# KiCad board SparkFun_RTK_Facet_mosaic_panelized.kicad_pcb (continued)
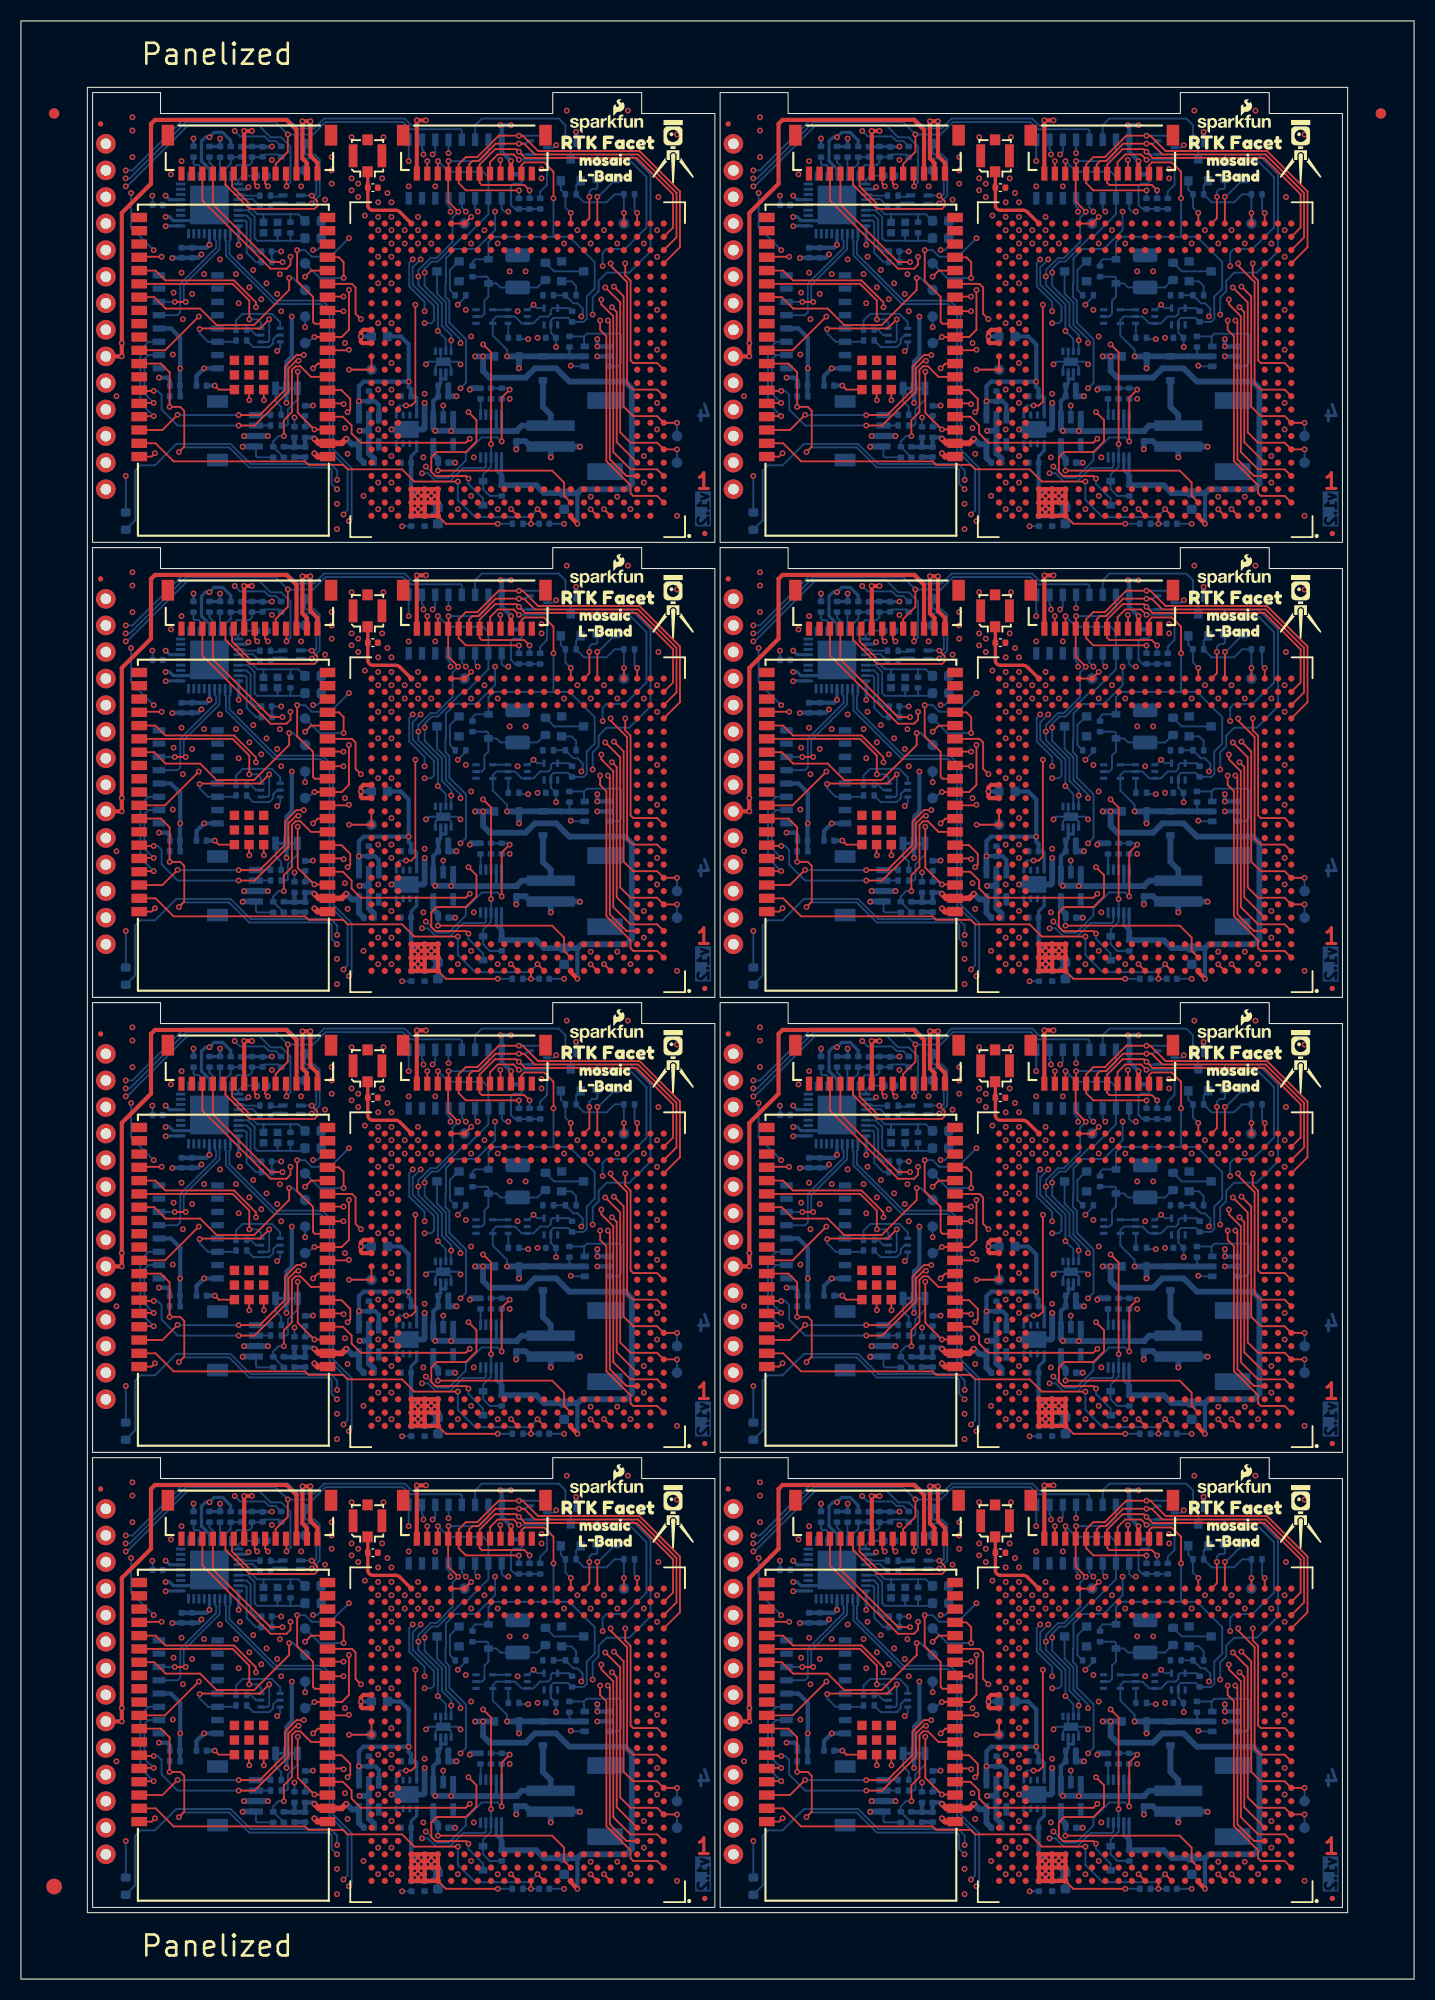
[diagram p0: board, top side]
## Routing (per net, layer and track width the routed paths; a pad name or vN(x,y) marks a point on that pad's centre or on a via; arc(x,y) is an arc through that point) (continued)
ExternalDATA_RXI: length 452.9
  Top w0.178: J5#8.4 25.39,42.06 v1(25.39,40.89) ; v1(25.39,84.39) 25.39,85.56 J5#6.4 ; v1(85.39,171.39) 85.39,172.56 J5#4.4 ; v1(25.39,127.89) 25.39,129.06 J5#3.4 ; v1(85.39,84.39) 85.39,85.56 J5#5.4 ; v1(85.39,127.89) 85.39,129.06 J5.4 ; J5#7.4 85.39,42.06 v1(85.39,40.89) ; v1(25.39,171.39) 25.39,172.56 J5#2.4
  In2.Cu w0.178: v1(25.39,127.89) 33.01,120.27 42.16,120.27 44.84,122.95 44.84,124.32 v1(43.68,125.47) ; TP22#3.1 9.88,82.59 9.88,84.25 v1(10.03,84.39) ; v1(70.03,127.89) 69.88,127.75 69.88,126.09 TP22#6.1 ; TP22.1 9.88,126.09 9.88,127.75 v1(10.03,127.89) ; v1(70.03,171.39) 69.88,171.25 69.88,169.59 TP22#7.1 ; v1(103.68,168.97) 104.84,167.82 104.84,166.45 102.16,163.77 93.01,163.77 v1(85.39,171.39) ; v1(10.03,40.89) 9.88,40.75 9.88,39.09 TP22#4.1 ; v1(70.03,84.39) 69.88,84.25 69.88,82.59 TP22#5.1 ; v1(43.68,168.97) 44.84,167.82 44.84,166.45 42.16,163.77 33.01,163.77 v1(25.39,171.39) ; v1(43.68,38.47) 44.84,37.32 44.84,35.95 42.16,33.27 33.01,33.27 v1(25.39,40.89) ; v1(85.39,84.39) 93.01,76.77 102.16,76.77 104.84,79.45 104.84,80.82 v1(103.68,81.97) ; TP22#2.1 9.88,169.59 9.88,171.25 v1(10.03,171.39) ; v1(43.68,81.97) 44.84,80.82 44.84,79.45 42.16,76.77 33.01,76.77 v1(25.39,84.39) ; v1(103.68,125.47) 104.84,124.32 104.84,122.95 102.16,120.27 93.01,120.27 v1(85.39,127.89) ; v1(103.68,38.47) 104.84,37.32 104.84,35.95 102.16,33.27 93.01,33.27 v1(85.39,40.89) ; v1(70.03,40.89) 69.88,40.75 69.88,39.09 TP22#8.1
  Bottom w0.178: v1(85.39,40.89) 85.77,41.27 85.77,44.7 84.9,45.57 83.88,45.57 82.75,46.7 75.97,46.7 70.15,40.89 v1(70.03,40.89) ; U13#4.3 43.43,38.73 v1(43.68,38.47) ; v1(10.03,127.89) 10.15,127.89 15.97,133.7 22.75,133.7 23.88,132.57 24.9,132.57 25.77,131.7 25.77,128.27 v1(25.39,127.89) ; U13#6.3 103.43,82.23 v1(103.68,81.97) ; U13#3.3 103.43,38.73 v1(103.68,38.47) ; v1(43.68,81.97) 43.43,82.23 U13#8.3 ; v1(70.03,127.89) 70.15,127.89 75.97,133.7 82.75,133.7 83.88,132.57 84.9,132.57 85.77,131.7 85.77,128.27 v1(85.39,127.89) ; U13#2.3 43.43,169.23 v1(43.68,168.97) ; v1(25.39,40.89) 25.77,41.27 25.77,44.7 24.9,45.57 23.88,45.57 22.75,46.7 15.97,46.7 10.15,40.89 v1(10.03,40.89) ; U13#5.3 103.43,169.23 v1(103.68,168.97) ; v1(70.03,171.39) 70.15,171.39 75.97,177.2 82.75,177.2 83.88,176.07 84.9,176.07 85.77,175.2 85.77,171.77 v1(85.39,171.39) ; v1(10.03,84.39) 10.15,84.39 15.97,90.2 22.75,90.2 23.88,89.07 24.9,89.07 25.77,88.2 25.77,84.77 v1(25.39,84.39) ; v1(25.39,171.39) 25.77,171.77 25.77,175.2 24.9,176.07 23.88,176.07 22.75,177.2 15.97,177.2 10.15,171.39 v1(10.03,171.39) ; v1(85.39,84.39) 85.77,84.77 85.77,88.2 84.9,89.07 83.88,89.07 82.75,90.2 75.97,90.2 70.15,84.39 v1(70.03,84.39) ; U13#7.3 43.43,125.73 v1(43.68,125.47) ; v1(103.68,125.47) 103.43,125.73 U13.3
ExternalDATA_TXO: length 347.6
  Top w0.178: v1(85.52,45.85) 85.52,44.19 84.35,43.02 J5#7.5 ; v1(85.52,176.35) 85.52,174.69 84.35,173.52 J5#4.5 ; v1(25.52,89.35) 25.52,87.69 24.35,86.52 J5#6.5 ; J5#5.5 84.35,86.52 85.52,87.69 v1(85.52,89.35) ; J5#2.5 24.35,173.52 25.52,174.69 v1(25.52,176.35) ; J5#3.5 24.35,130.02 25.52,131.19 v1(25.52,132.85) ; v1(85.52,132.85) 85.52,131.19 84.35,130.02 J5.5 ; v1(25.52,45.85) 25.52,44.19 24.35,43.02 J5#8.5
  In2.Cu w0.178: TP21#8.1 69.9,85.15 v1(70.01,85.15) ; v1(70.01,41.65) 69.9,41.65 TP21#2.1 ; v1(70.01,128.65) 69.9,128.65 TP21#3.1 ; TP21#6.1 9.9,172.15 v1(10.01,172.15) ; v1(10.01,41.65) 9.9,41.65 TP21#4.1 ; v1(70.01,172.15) 69.9,172.15 TP21#7.1 ; v1(10.01,128.65) 9.9,128.65 TP21#5.1 ; v1(10.01,85.15) 9.9,85.15 TP21.1
  Bottom w0.178: v1(70.01,85.15) 70.41,85.15 75.79,90.53 84.34,90.53 v1(85.52,89.35) 85.53,89.34 87.93,89.34 89.13,90.53 96.52,90.53 97.2,89.85 102.03,89.85 102.16,89.72 U13#6.13 ; v1(10.01,41.65) 10.41,41.65 15.79,47.03 24.34,47.03 v1(25.52,45.85) 25.53,45.84 27.93,45.84 29.13,47.03 36.52,47.03 37.2,46.35 42.03,46.35 42.16,46.22 U13#4.13 ; U13#7.13 42.16,133.22 42.03,133.35 37.2,133.35 36.52,134.03 29.13,134.03 27.93,132.84 25.53,132.84 v1(25.52,132.85) 24.34,134.03 15.79,134.03 10.41,128.65 v1(10.01,128.65) ; v1(10.01,85.15) 10.41,85.15 15.79,90.53 24.34,90.53 v1(25.52,89.35) 25.53,89.34 27.93,89.34 29.13,90.53 36.52,90.53 37.2,89.85 42.03,89.85 42.16,89.72 U13#8.13 ; U13#5.13 102.16,176.72 102.03,176.85 97.2,176.85 96.52,177.53 89.13,177.53 87.93,176.34 85.53,176.34 v1(85.52,176.35) 84.34,177.53 75.79,177.53 70.41,172.15 v1(70.01,172.15) ; U13#3.13 102.16,46.22 102.03,46.35 97.2,46.35 96.52,47.03 89.13,47.03 87.93,45.84 85.53,45.84 v1(85.52,45.85) 84.34,47.03 75.79,47.03 70.41,41.65 v1(70.01,41.65) ; U13#2.13 42.16,176.72 42.03,176.85 37.2,176.85 36.52,177.53 29.13,177.53 27.93,176.34 25.53,176.34 v1(25.52,176.35) 24.34,177.53 15.79,177.53 10.41,172.15 v1(10.01,172.15) ; U13.13 102.16,133.22 102.03,133.35 97.2,133.35 96.52,134.03 89.13,134.03 87.93,132.84 85.53,132.84 v1(85.52,132.85) 84.34,134.03 75.79,134.03 70.41,128.65 v1(70.01,128.65)
M_BACKUP: length 473.9
  Top w0.178: v1(39.87,57.21) 50.79,57.21 51.94,56.06 51.94,54.8 U2#5.B8 ; U2#4.B8 51.94,11.29 51.94,12.56 50.79,13.71 v1(39.87,13.71) ; v1(99.87,13.71) 110.79,13.71 111.94,12.56 111.94,11.29 U2#3.B8 ; U2#2.B8 111.94,54.8 111.94,56.06 110.79,57.21 v1(99.87,57.21) ; v1(39.87,100.71) 50.79,100.71 51.94,99.56 51.94,98.3 U2#8.B8 ; U2#6.B8 111.94,98.3 111.94,99.56 110.79,100.71 v1(99.87,100.71) ; U2#7.B8 51.94,141.8 51.94,143.06 50.79,144.21 v1(39.87,144.21) ; U2.B8 111.94,141.8 111.94,143.06 110.79,144.21 v1(99.87,144.21)
  In2.Cu w0.178: v1(99.87,100.71) 99.87,103.5 100.25,103.88 101.39,103.88 101.66,104.15 101.66,104.89 101.51,105.04 99.83,105.04 99.83,105.04 99.38,105.04 95.69,101.36 91.07,101.36 90.79,101.64 71.76,101.64 69.39,104.01 TP9#6.1 ; v1(99.87,13.71) 99.87,16.5 100.25,16.88 101.39,16.88 101.66,17.15 101.66,17.89 101.51,18.04 99.83,18.04 99.83,18.04 99.38,18.04 95.69,14.36 91.07,14.36 90.79,14.64 71.76,14.64 69.39,17.01 TP9#2.1 ; v1(99.87,57.21) 99.87,60 100.25,60.38 101.39,60.38 101.66,60.65 101.66,61.39 101.51,61.54 99.83,61.54 99.83,61.54 99.38,61.54 95.69,57.86 91.07,57.86 90.79,58.14 71.76,58.14 69.39,60.51 TP9.1 ; v1(39.87,57.21) 39.87,60 40.25,60.38 41.39,60.38 41.66,60.65 41.66,61.39 41.51,61.54 39.83,61.54 39.83,61.54 39.38,61.54 35.69,57.86 31.07,57.86 30.79,58.14 11.76,58.14 9.39,60.51 TP9#5.1 ; v1(99.87,144.21) 99.87,147 100.25,147.38 101.39,147.38 101.66,147.65 101.66,148.39 101.51,148.54 99.83,148.54 99.83,148.54 99.38,148.54 95.69,144.86 91.07,144.86 90.79,145.14 71.76,145.14 69.39,147.51 TP9#4.1 ; TP9#8.1 9.39,147.51 11.76,145.14 30.79,145.14 31.07,144.86 35.69,144.86 39.38,148.54 39.83,148.54 39.83,148.54 41.51,148.54 41.66,148.39 41.66,147.65 41.39,147.38 40.25,147.38 39.87,147 v1(39.87,144.21) ; v1(39.87,13.71) 39.87,16.5 40.25,16.88 41.39,16.88 41.66,17.15 41.66,17.89 41.51,18.04 39.83,18.04 39.83,18.04 39.38,18.04 35.69,14.36 31.07,14.36 30.79,14.64 11.76,14.64 9.39,17.01 TP9#3.1 ; TP9#7.1 9.39,104.01 11.76,101.64 30.79,101.64 31.07,101.36 35.69,101.36 39.38,105.04 39.83,105.04 39.83,105.04 41.51,105.04 41.66,104.89 41.66,104.15 41.39,103.88 40.25,103.88 39.87,103.5 v1(39.87,100.71)
  Bottom w0.178: v1(99.87,13.71) 99.87,14.44 C25.1 ; v1(99.87,100.71) 99.87,101.44 C25#5.1 ; v1(99.87,57.21) 99.87,57.94 C25#2.1 ; v1(39.87,57.21) 39.87,57.94 C25#3.1 ; v1(39.87,13.71) 39.87,14.44 C25#6.1 ; C25#4.1 39.87,144.94 v1(39.87,144.21) ; v1(39.87,100.71) 39.87,101.44 C25#8.1 ; C25#7.1 99.87,144.94 v1(99.87,144.21)
  Bottom w0.559: U12#5.5 39.43,15.29 39.9,14.82 C25#6.1 ; C25#3.1 39.9,58.32 39.43,58.79 U12#3.5 ; U12#6.5 99.43,15.29 99.9,14.82 C25.1 ; U12#8.5 39.43,145.79 39.9,145.32 C25#4.1 ; C25#8.1 39.9,101.82 39.43,102.29 U12#2.5 ; U12#4.5 99.43,102.29 99.9,101.82 C25#5.1 ; C25#2.1 99.9,58.32 99.43,58.79 U12#7.5 ; U12.5 99.43,145.79 99.9,145.32 C25#7.1
MEventA: length 278.6
  In2.Cu w0.178: v1(55.62,33.27) 51.05,33.27 46.08,38.23 46.08,39.38 45.46,40 42.58,40 42.21,39.63 42.21,39.59 v1(41.08,38.46) ; v1(115.62,163.77) 111.05,163.77 106.08,168.73 106.08,169.88 105.46,170.5 102.58,170.5 102.21,170.13 102.21,170.09 v1(101.08,168.96) ; v1(55.62,120.27) 51.05,120.27 46.08,125.23 46.08,126.38 45.46,127 42.58,127 42.21,126.63 42.21,126.59 v1(41.08,125.46) ; v1(41.08,168.96) 42.21,170.09 42.21,170.13 42.58,170.5 45.46,170.5 46.08,169.88 46.08,168.73 51.05,163.77 v1(55.62,163.77) ; v1(101.08,81.96) 102.21,83.09 102.21,83.13 102.58,83.5 105.46,83.5 106.08,82.88 106.08,81.73 111.05,76.77 v1(115.62,76.77) ; v1(115.62,33.27) 111.05,33.27 106.08,38.23 106.08,39.38 105.46,40 102.58,40 102.21,39.63 102.21,39.59 v1(101.08,38.46) ; v1(55.62,76.77) 51.05,76.77 46.08,81.73 46.08,82.88 45.46,83.5 42.58,83.5 42.21,83.13 42.21,83.09 v1(41.08,81.96) ; v1(101.08,125.46) 102.21,126.59 102.21,126.63 102.58,127 105.46,127 106.08,126.38 106.08,125.23 111.05,120.27 v1(115.62,120.27)
  Bottom w0.178: R16#7.1 118.35,43.23 119.81,41.78 119.81,36.95 117.76,34.9 115.99,34.9 115.62,34.54 v1(115.62,33.27) ; U13#3.5 100.89,38.98 101.08,38.79 v1(101.08,38.46) ; v1(55.62,76.77) 55.62,78.04 55.99,78.4 57.76,78.4 59.81,80.45 59.81,85.28 58.35,86.73 R16#3.1 ; v1(101.08,168.96) 101.08,169.29 100.89,169.48 U13#5.5 ; R16#5.1 58.35,43.23 59.81,41.78 59.81,36.95 57.76,34.9 55.99,34.9 55.62,34.54 v1(55.62,33.27) ; R16#8.1 58.35,173.74 59.81,172.28 59.81,167.45 57.76,165.4 55.99,165.4 55.62,165.04 v1(55.62,163.77) ; U13#8.5 40.89,82.48 41.08,82.29 v1(41.08,81.96) ; U13#6.5 100.89,82.48 101.08,82.29 v1(101.08,81.96) ; v1(55.62,120.27) 55.62,121.54 55.99,121.9 57.76,121.9 59.81,123.95 59.81,128.78 58.35,130.24 R16#4.1 ; v1(41.08,168.96) 41.08,169.29 40.89,169.48 U13#2.5 ; R16#6.1 118.35,86.73 119.81,85.28 119.81,80.45 117.76,78.4 115.99,78.4 115.62,78.04 v1(115.62,76.77) ; v1(41.08,125.46) 41.08,125.79 40.89,125.98 U13#7.5 ; U13#4.5 40.89,38.98 41.08,38.79 v1(41.08,38.46) ; U13.5 100.89,125.98 101.08,125.79 v1(101.08,125.46) ; v1(115.62,120.27) 115.62,121.54 115.99,121.9 117.76,121.9 119.81,123.95 119.81,128.78 118.35,130.24 R16.1 ; R16#2.1 118.35,173.74 119.81,172.28 119.81,167.45 117.76,165.4 115.99,165.4 115.62,165.04 v1(115.62,163.77)
MOSAIC_DM: length 486.6
  Top w0.178: v1(114.47,10.01) 115.1,9.39 U2#3.A6 ; v1(114.47,53.51) 115.1,52.89 U2#2.A6 ; v1(54.47,53.51) 55.1,52.89 U2#5.A6 ; U2#8.A6 55.1,96.39 v1(54.47,97.01) ; U2#4.A6 55.1,9.39 v1(54.47,10.01) ; v1(114.47,140.51) 115.1,139.89 U2.A6 ; U2#6.A6 115.1,96.39 v1(114.47,97.01) ; v1(54.47,140.51) 55.1,139.89 U2#7.A6
  In2.Cu w0.178: v1(114.47,53.51) 114.47,53.53 114.3,53.7 112.2,53.7 109.53,51.04 93.11,51.04 91.76,52.38 v1(91.36,52.38) ; v1(31.36,8.88) 31.76,8.88 33.11,7.54 49.53,7.54 52.2,10.2 54.3,10.2 54.47,10.03 v1(54.47,10.01) ; v1(114.47,10.01) 114.47,10.03 114.3,10.2 112.2,10.2 109.53,7.54 93.11,7.54 91.76,8.88 v1(91.36,8.88) ; v1(91.36,139.38) 91.76,139.38 93.11,138.04 109.53,138.04 112.2,140.7 114.3,140.7 114.47,140.53 v1(114.47,140.51) ; v1(54.47,97.01) 54.47,97.03 54.3,97.2 52.2,97.2 49.53,94.54 33.11,94.54 31.76,95.88 v1(31.36,95.88) ; v1(114.47,97.01) 114.47,97.03 114.3,97.2 112.2,97.2 109.53,94.54 93.11,94.54 91.76,95.88 v1(91.36,95.88) ; v1(31.36,52.38) 31.76,52.38 33.11,51.04 49.53,51.04 52.2,53.7 54.3,53.7 54.47,53.53 v1(54.47,53.51) ; v1(31.36,139.38) 31.76,139.38 33.11,138.04 49.53,138.04 52.2,140.7 54.3,140.7 54.47,140.53 v1(54.47,140.51)
  Bottom w0.178: U9#4.1 20.03,122.77 19.93,122.68 19.93,121.41 24.38,116.96 28.82,116.96 29.84,115.95 29.84,102.74 31.61,100.96 31.61,96.14 v1(31.36,95.88) ; v1(91.36,95.88) 91.62,96.14 91.62,100.96 89.84,102.74 89.84,115.95 88.82,116.96 84.38,116.96 79.93,121.41 79.93,122.68 80.03,122.77 U9#6.1 ; v1(31.36,52.38) 31.61,52.64 31.61,57.46 29.84,59.24 29.84,72.45 28.82,73.46 24.38,73.46 19.93,77.91 19.93,79.18 20.03,79.27 U9#3.1 ; v1(31.36,8.88) 31.61,9.14 31.61,13.96 29.84,15.74 29.84,28.95 28.82,29.96 24.38,29.96 19.93,34.41 19.93,35.68 20.03,35.77 U9#7.1 ; v1(91.36,139.38) 91.62,139.64 91.62,144.46 89.84,146.24 89.84,159.45 88.82,160.46 84.38,160.46 79.93,164.91 79.93,166.18 80.03,166.27 U9#8.1 ; v1(31.36,139.38) 31.61,139.64 31.61,144.46 29.84,146.24 29.84,159.45 28.82,160.46 24.38,160.46 19.93,164.91 19.93,166.18 20.03,166.27 U9.1 ; U9#5.1 80.03,79.27 79.93,79.18 79.93,77.91 84.38,73.46 88.82,73.46 89.84,72.45 89.84,59.24 91.62,57.46 91.62,52.64 v1(91.36,52.38) ; v1(91.36,8.88) 91.62,9.14 91.62,13.96 89.84,15.74 89.84,28.95 88.82,29.96 84.38,29.96 79.93,34.41 79.93,35.68 80.03,35.77 U9#2.1
MOSAIC_DP: length 498.1
  Top w0.178: v1(115.75,10.03) U2#3.A5 ; v1(55.75,53.53) U2#5.A5 ; v1(115.75,97.03) U2#6.A5 ; v1(55.75,97.03) U2#8.A5 ; v1(55.75,140.53) U2#7.A5 ; v1(115.75,140.53) U2.A5 ; v1(55.75,10.03) U2#4.A5 ; v1(115.75,53.53) U2#2.A5
  In2.Cu w0.178: v1(90.84,96.52) 91.59,96.52 93.25,94.87 109.4,94.87 112.06,97.53 115.24,97.53 v1(115.75,97.03) ; v1(30.84,140.02) 31.59,140.02 33.25,138.37 49.4,138.37 52.06,141.03 55.24,141.03 v1(55.75,140.53) ; v1(115.75,140.53) 115.24,141.03 112.06,141.03 109.4,138.37 93.25,138.37 91.59,140.02 v1(90.84,140.02) ; v1(55.75,53.53) 55.24,54.03 52.06,54.03 49.4,51.37 33.25,51.37 31.59,53.02 v1(30.84,53.02) ; v1(115.75,53.53) 115.24,54.03 112.06,54.03 109.4,51.37 93.25,51.37 91.59,53.02 v1(90.84,53.02) ; v1(30.84,9.52) 31.59,9.52 33.25,7.87 49.4,7.87 52.06,10.53 55.24,10.53 v1(55.75,10.03) ; v1(30.84,96.52) 31.59,96.52 33.25,94.87 49.4,94.87 52.06,97.53 55.24,97.53 v1(55.75,97.03) ; v1(90.84,9.52) 91.59,9.52 93.25,7.87 109.4,7.87 112.06,10.53 115.24,10.53 v1(115.75,10.03)
  Bottom w0.178: U9#8.2 79.53,166.25 79.6,166.18 79.6,164.77 84.24,160.13 88.68,160.13 89.51,159.31 89.51,146.1 91.23,144.38 91.23,140.41 v1(90.84,140.02) ; v1(90.84,96.52) 91.23,96.91 91.23,100.88 89.51,102.6 89.51,115.81 88.68,116.63 84.24,116.63 79.6,121.27 79.6,122.68 79.53,122.75 U9#6.2 ; v1(30.84,96.52) 31.23,96.91 31.23,100.88 29.51,102.6 29.51,115.81 28.68,116.63 24.24,116.63 19.6,121.27 19.6,122.68 19.53,122.75 U9#4.2 ; v1(30.84,140.02) 31.23,140.41 31.23,144.38 29.51,146.1 29.51,159.31 28.68,160.13 24.24,160.13 19.6,164.77 19.6,166.18 19.53,166.25 U9.2 ; v1(30.84,9.52) 31.23,9.91 31.23,13.88 29.51,15.6 29.51,28.81 28.68,29.63 24.24,29.63 19.6,34.27 19.6,35.68 19.53,35.75 U9#7.2 ; v1(90.84,53.02) 91.23,53.41 91.23,57.38 89.51,59.1 89.51,72.31 88.68,73.13 84.24,73.13 79.6,77.77 79.6,79.18 79.53,79.25 U9#5.2 ; U9#3.2 19.53,79.25 19.6,79.18 19.6,77.77 24.24,73.13 28.68,73.13 29.51,72.31 29.51,59.1 31.23,57.38 31.23,53.41 v1(30.84,53.02) ; v1(90.84,9.52) 91.23,9.91 91.23,13.88 89.51,15.6 89.51,28.81 88.68,29.63 84.24,29.63 79.6,34.27 79.6,35.68 79.53,35.75 U9#2.2
MOSAIC_RF_IN: length 68.1
  Top w0.33: U2.AC20 96.24,168.92 arc(96.04,169.05) 95.81,169.1 93.65,169.1 arc(93.33,169.22) 93.17,169.52 93.17,171.26 D1#5.2 ; U2#2.AC20 96.24,81.92 arc(96.04,82.05) 95.81,82.1 93.65,82.1 arc(93.33,82.22) 93.17,82.52 93.17,84.26 D1#4.2 ; 33.14,84.61 33.14,84.29 D1#7.2 ; D1#6.2 33.17,129.25 J1#8.1 ; D1#6.2 33.14,127.79 33.14,128.11 ; D1#6.2 33.17,127.76 33.17,126.02 arc(33.33,125.72) 33.65,125.6 35.81,125.6 arc(36.04,125.55) 36.24,125.42 U2#8.AC20 ; D1#4.2 93.14,84.29 93.14,84.61 ; D1#4.2 93.17,85.75 J1#2.1 ; U2#6.AC20 96.24,125.42 arc(96.04,125.55) 95.81,125.6 93.65,125.6 arc(93.33,125.72) 93.17,126.02 93.17,127.76 D1#2.2 ; J1#4.1 93.17,172.75 D1#5.2 ; D1#8.2 33.17,172.75 J1#3.1 ; D1#8.2 33.17,171.26 33.17,169.52 arc(33.33,169.22) 33.65,169.1 35.81,169.1 arc(36.04,169.05) 36.24,168.92 U2#7.AC20 ; D1#8.2 33.14,171.29 33.14,171.61 ; D1.2 93.14,40.79 93.14,41.11 ; D1.2 93.17,42.25 J1#5.1 ; D1.2 93.17,40.76 93.17,39.02 arc(93.33,38.72) 93.65,38.6 95.81,38.6 arc(96.04,38.55) 96.24,38.42 U2#3.AC20 ; U2#4.AC20 36.24,38.42 arc(36.04,38.55) 35.81,38.6 33.65,38.6 arc(33.33,38.72) 33.17,39.02 33.17,40.76 D1#3.2 ; D1#7.2 33.17,85.75 J1#7.1 ; D1#7.2 33.17,84.26 33.17,82.52 arc(33.33,82.22) 33.65,82.1 35.81,82.1 arc(36.04,82.05) 36.24,81.92 U2#5.AC20 ; J1#6.1 93.17,129.25 D1#2.2 ; D1#5.2 93.14,171.29 93.14,171.61 ; D1#2.2 93.14,127.79 93.14,128.11 ; J1.1 33.17,42.25 D1#3.2 ; D1#3.2 33.14,40.79 33.14,41.11
MPPS: length 35.8
  Top w0.178: U2#3.AC8 v1(112.57,38.35) ; U2#4.AC8 v1(52.57,38.35) ; U2.AC8 v1(112.57,168.85) ; U2#8.AC8 v1(52.57,125.35) ; U2#7.AC8 v1(52.57,168.85) ; U2#6.AC8 v1(112.57,125.35) ; U2#5.AC8 v1(52.57,81.85) ; U2#2.AC8 v1(112.57,81.85)
  Bottom w0.178: v1(112.57,38.35) 112.06,38.86 R12#5.2 111.62,40.56 Q3#2.2 ; v1(52.57,81.85) 52.06,82.36 R12#6.2 51.62,84.06 Q3#7.2 ; Q3#5.2 51.62,171.06 R12#4.2 52.06,169.36 v1(52.57,168.85) ; Q3#8.2 111.62,127.56 R12.2 112.06,125.86 v1(112.57,125.35) ; Q3#4.2 51.62,40.56 R12#2.2 52.06,38.86 v1(52.57,38.35) ; v1(52.57,125.35) 52.06,125.86 R12#8.2 51.62,127.56 Q3.2 ; v1(112.57,168.85) 112.06,169.36 R12#3.2 111.62,171.06 Q3#6.2 ; Q3#3.2 111.62,84.06 R12#7.2 112.06,82.36 v1(112.57,81.85)
MPPS_3V3: length 419.4
  In2.Cu w0.178: v1(70.03,129.41) TP6#8.1 ; v1(70.03,85.91) TP6#3.1 ; v1(70.03,42.41) TP6#2.1 ; v1(10.03,85.91) TP6#6.1 ; v1(70.03,172.91) TP6.1 ; v1(10.03,42.41) TP6#5.1 ; v1(10.03,129.41) TP6#4.1 ; v1(10.03,172.91) TP6#7.1
  Bottom w0.178: Q3#4.3 52.57,44.44 R13#2.2 52.06,46.73 51.43,47.36 44.06,47.36 43.43,46.73 ; 103.43,90.23 104.06,90.86 111.43,90.86 112.06,90.23 R13#7.2 112.57,87.94 Q3#3.3 ; 103.43,90.23 103.38,90.18 97.38,90.18 96.69,90.86 88.99,90.86 88.05,89.92 86.46,89.92 85.52,90.86 75.61,90.86 70.66,85.91 v1(70.03,85.91) ; 103.43,90.23 U13#6.14 ; U13#5.14 103.43,177.23 ; 103.43,177.23 104.06,177.86 111.43,177.86 112.06,177.23 R13#3.2 112.57,174.94 Q3#6.3 ; 103.43,177.23 103.38,177.18 97.38,177.18 96.69,177.86 88.99,177.86 88.05,176.92 86.46,176.92 85.52,177.86 75.61,177.86 70.66,172.91 v1(70.03,172.91) ; v1(10.03,129.41) 10.66,129.41 15.61,134.36 25.52,134.36 26.46,133.42 28.05,133.42 28.99,134.36 36.69,134.36 37.38,133.68 43.38,133.68 43.43,133.73 ; 103.43,133.73 104.06,134.36 111.43,134.36 112.06,133.73 R13.2 112.57,131.44 Q3#8.3 ; 103.43,133.73 U13.14 ; 103.43,133.73 103.38,133.68 97.38,133.68 96.69,134.36 88.99,134.36 88.05,133.42 86.46,133.42 85.52,134.36 75.61,134.36 70.66,129.41 v1(70.03,129.41) ; Q3#7.3 52.57,87.94 R13#6.2 52.06,90.23 51.43,90.86 44.06,90.86 43.43,90.23 ; U13#2.14 43.43,177.23 ; 43.43,177.23 43.38,177.18 37.38,177.18 36.69,177.86 28.99,177.86 28.05,176.92 26.46,176.92 25.52,177.86 15.61,177.86 10.66,172.91 v1(10.03,172.91) ; 43.43,177.23 44.06,177.86 51.43,177.86 52.06,177.23 R13#4.2 52.57,174.94 Q3#5.3 ; U13#8.14 43.43,90.23 ; 43.43,90.23 43.38,90.18 37.38,90.18 36.69,90.86 28.99,90.86 28.05,89.92 26.46,89.92 25.52,90.86 15.61,90.86 10.66,85.91 v1(10.03,85.91) ; 103.43,46.73 104.06,47.36 111.43,47.36 112.06,46.73 R13#8.2 112.57,44.44 Q3#2.3 ; 103.43,46.73 U13#3.14 ; 103.43,46.73 103.38,46.68 97.38,46.68 96.69,47.36 88.99,47.36 88.05,46.42 86.46,46.42 85.52,47.36 75.61,47.36 70.66,42.41 v1(70.03,42.41) ; 43.43,133.73 44.06,134.36 51.43,134.36 52.06,133.73 R13#5.2 52.57,131.44 Q3.3 ; 43.43,133.73 U13#7.14 ; v1(10.03,42.41) 10.66,42.41 15.61,47.36 25.52,47.36 26.46,46.42 28.05,46.42 28.99,47.36 36.69,47.36 37.38,46.68 43.38,46.68 43.43,46.73 ; 43.43,46.73 U13#4.14
MRX2: length 526.9
  Top w0.178: J5#7.11 78.35,39.17 83.87,33.65 v1(85.01,33.65) ; v1(115.87,31.22) 117.29,29.8 117.29,17.37 118.28,16.38 120.82,16.38 U2#3.F1 v1(122.73,15.74) ; v1(85.01,77.15) 83.87,77.15 78.35,82.67 J5#5.11 ; v1(25.01,164.15) 23.87,164.15 18.35,169.66 J5#2.11 ; J5#3.11 18.35,126.16 23.87,120.65 v1(25.01,120.65) ; v1(85.01,164.15) 83.87,164.15 78.35,169.66 J5#4.11 ; v1(122.73,146.24) U2.F1 120.82,146.88 118.28,146.88 117.29,147.87 117.29,160.3 v1(115.87,161.72) ; v1(62.73,15.74) U2#4.F1 60.82,16.38 58.28,16.38 57.29,17.37 57.29,29.8 v1(55.87,31.22) ; v1(122.73,59.24) U2#2.F1 120.82,59.88 118.28,59.88 117.29,60.87 117.29,73.3 v1(115.87,74.72) ; v1(85.01,120.65) 83.87,120.65 78.35,126.16 J5.11 ; v1(62.73,102.74) U2#8.F1 60.82,103.38 58.28,103.38 57.29,104.37 57.29,116.8 v1(55.87,118.22) ; v1(62.73,146.24) U2#7.F1 60.82,146.88 58.28,146.88 57.29,147.87 57.29,160.3 v1(55.87,161.72) ; v1(122.73,102.74) U2#6.F1 120.82,103.38 118.28,103.38 117.29,104.37 117.29,116.8 v1(115.87,118.22) ; v1(25.01,77.15) 23.87,77.15 18.35,82.67 J5#6.11 ; v1(25.01,33.65) 23.87,33.65 18.35,39.17 J5#8.11 ; v1(62.73,59.24) U2#5.F1 60.82,59.88 58.28,59.88 57.29,60.87 57.29,73.3 v1(55.87,74.72)
  In2.Cu w0.178: v1(85.01,77.15) 85.68,76.47 91.27,76.47 93.19,74.56 96.34,74.56 96.69,74.91 115.68,74.91 v1(115.87,74.72) ; v1(25.01,33.65) 25.68,32.97 31.27,32.97 33.19,31.06 36.34,31.06 36.69,31.41 55.68,31.41 v1(55.87,31.22) ; v1(55.87,118.22) 55.68,118.41 36.69,118.41 36.34,118.06 33.19,118.06 31.27,119.97 25.68,119.97 v1(25.01,120.65) ; v1(115.87,118.22) 115.68,118.41 96.69,118.41 96.34,118.06 93.19,118.06 91.27,119.97 85.68,119.97 v1(85.01,120.65) ; v1(115.87,161.72) 115.68,161.91 96.69,161.91 96.34,161.56 93.19,161.56 91.27,163.47 85.68,163.47 v1(85.01,164.15) ; v1(25.01,164.15) 25.68,163.47 31.27,163.47 33.19,161.56 36.34,161.56 36.69,161.91 55.68,161.91 v1(55.87,161.72) ; v1(85.01,33.65) 85.68,32.97 91.27,32.97 93.19,31.06 96.34,31.06 96.69,31.41 115.68,31.41 v1(115.87,31.22) ; v1(55.87,74.72) 55.68,74.91 36.69,74.91 36.34,74.56 33.19,74.56 31.27,76.47 25.68,76.47 v1(25.01,77.15)
  Bottom w0.178: v1(122.73,102.74) TP24#5.1 ; v1(122.73,15.74) TP24#3.1 ; v1(122.73,59.24) TP24#7.1 ; v1(122.73,146.24) TP24.1 ; v1(62.73,59.24) TP24#2.1 ; v1(62.73,102.74) TP24#6.1 ; v1(62.73,15.74) TP24#4.1 ; v1(62.73,146.24) TP24#8.1
MRX3: length 237.8
  Top w0.178: U2#2.K1 120.82,64.95 118.54,64.95 117.95,65.54 117.95,75.23 116.38,76.81 v1(116.38,77.02) ; U2#7.K1 60.82,151.96 58.54,151.96 57.95,152.54 57.95,162.23 56.38,163.81 v1(56.38,164.02) ; v1(56.38,120.52) 56.38,120.31 57.95,118.73 57.95,109.04 58.54,108.45 60.82,108.45 U2#8.K1 ; U2#5.K1 60.82,64.95 58.54,64.95 57.95,65.54 57.95,75.23 56.38,76.81 v1(56.38,77.02) ; U2#4.K1 60.82,21.46 58.54,21.46 57.95,22.04 57.95,31.73 56.38,33.31 v1(56.38,33.52) ; U2#3.K1 120.82,21.46 118.54,21.46 117.95,22.04 117.95,31.73 116.38,33.31 v1(116.38,33.52) ; U2#6.K1 120.82,108.45 118.54,108.45 117.95,109.04 117.95,118.73 116.38,120.31 v1(116.38,120.52) ; v1(116.38,164.02) 116.38,163.81 117.95,162.23 117.95,152.54 118.54,151.96 120.82,151.96 U2.K1
  In2.Cu w0.178: v1(56.38,120.52) 56,120.9 51.17,120.9 v1(46.6,125.47) ; v1(46.6,38.47) 51.17,33.9 56,33.9 v1(56.38,33.52) ; v1(116.38,77.02) 116,77.4 111.17,77.4 v1(106.6,81.97) ; v1(116.38,33.52) 116,33.9 111.17,33.9 v1(106.6,38.47) ; v1(46.6,81.97) 51.17,77.4 56,77.4 v1(56.38,77.02) ; v1(116.38,164.02) 116,164.4 111.17,164.4 v1(106.6,168.97) ; v1(46.6,168.97) 51.17,164.4 56,164.4 v1(56.38,164.02) ; v1(116.38,120.52) 116,120.9 111.17,120.9 v1(106.6,125.47)
  Bottom w0.178: U13#2.1 45.97,169.23 46.22,168.97 v1(46.6,168.97) ; v1(106.6,38.47) 106.22,38.47 105.97,38.73 U13#3.1 ; v1(46.6,38.47) 46.22,38.47 45.97,38.73 U13#4.1 ; U13#5.1 105.97,169.23 106.22,168.97 v1(106.6,168.97) ; U13#7.1 45.97,125.73 46.22,125.47 v1(46.6,125.47) ; U13.1 105.97,125.73 106.22,125.47 v1(106.6,125.47) ; U13#8.1 45.97,82.23 46.22,81.97 v1(46.6,81.97) ; v1(106.6,81.97) 106.22,81.97 105.97,82.23 U13#6.1
MTX2: length 524.7
  Top w0.178: v1(62.73,105.28) U2#8.H1 60.82,105.91 58.54,105.91 57.62,106.83 57.62,117.37 v1(56.7,118.3) ; v1(85.77,34.16) 85.77,33.39 85.39,33.01 83.87,33.01 77.35,39.53 J5#7.12 ; v1(25.77,164.66) 25.77,163.89 25.39,163.51 23.87,163.51 17.35,170.03 J5#2.12 ; v1(85.77,164.66) 85.77,163.89 85.39,163.51 83.87,163.51 77.35,170.03 J5#4.12 ; v1(116.7,74.8) 117.62,73.87 117.62,63.33 118.54,62.42 120.82,62.42 U2#2.H1 v1(122.73,61.78) ; v1(122.73,105.28) U2#6.H1 120.82,105.91 118.54,105.91 117.62,106.83 117.62,117.37 v1(116.7,118.3) ; J5#6.12 17.35,83.03 23.87,76.51 25.39,76.51 25.77,76.89 v1(25.77,77.66) ; v1(85.77,77.66) 85.77,76.89 85.39,76.51 83.87,76.51 77.35,83.03 J5#5.12 ; v1(116.7,31.3) 117.62,30.37 117.62,19.83 118.54,18.91 120.82,18.91 U2#3.H1 v1(122.73,18.28) ; v1(56.7,74.8) 57.62,73.87 57.62,63.33 58.54,62.42 60.82,62.42 U2#5.H1 v1(62.73,61.78) ; v1(25.77,121.16) 25.77,120.39 25.39,120.01 23.87,120.01 17.35,126.53 J5#3.12 ; J5#8.12 17.35,39.53 23.87,33.01 25.39,33.01 25.77,33.39 v1(25.77,34.16) ; v1(116.7,161.8) 117.62,160.87 117.62,150.33 118.54,149.41 120.82,149.41 U2.H1 v1(122.73,148.78) ; v1(56.7,161.8) 57.62,160.87 57.62,150.33 58.54,149.41 60.82,149.41 U2#7.H1 v1(62.73,148.78) ; J5.12 77.35,126.53 83.87,120.01 85.39,120.01 85.77,120.39 v1(85.77,121.16) ; v1(56.7,31.3) 57.62,30.37 57.62,19.83 58.54,18.91 60.82,18.91 U2#4.H1 v1(62.73,18.28)
  In2.Cu w0.178: v1(85.77,77.66) 90.6,77.66 92.62,75.64 96.16,75.64 96.56,75.24 116.25,75.24 v1(116.7,74.8) ; v1(25.77,121.16) 30.6,121.16 32.62,119.14 36.16,119.14 36.56,118.74 56.25,118.74 v1(56.7,118.3) ; v1(56.7,31.3) 56.25,31.74 36.56,31.74 36.16,32.14 32.62,32.14 30.6,34.16 v1(25.77,34.16) ; v1(25.77,164.66) 30.6,164.66 32.62,162.64 36.16,162.64 36.56,162.24 56.25,162.24 v1(56.7,161.8) ; v1(56.7,74.8) 56.25,75.24 36.56,75.24 36.16,75.64 32.62,75.64 30.6,77.66 v1(25.77,77.66) ; v1(85.77,164.66) 90.6,164.66 92.62,162.64 96.16,162.64 96.56,162.24 116.25,162.24 v1(116.7,161.8) ; v1(85.77,34.16) 90.6,34.16 92.62,32.14 96.16,32.14 96.56,31.74 116.25,31.74 v1(116.7,31.3) ; v1(116.7,118.3) 116.25,118.74 96.56,118.74 96.16,119.14 92.62,119.14 90.6,121.16 v1(85.77,121.16)
  Bottom w0.178: v1(122.73,18.28) TP25#8.1 ; v1(62.73,148.78) TP25#3.1 ; v1(62.73,18.28) TP25#4.1 ; v1(122.73,105.28) TP25#2.1 ; v1(62.73,105.28) TP25#5.1 ; v1(122.73,61.78) TP25.1 ; v1(62.73,61.78) TP25#6.1 ; v1(122.73,148.78) TP25#7.1
